# Altium PCB BSPD+SDC.PcbDoc (part 1 of 2) (continued)
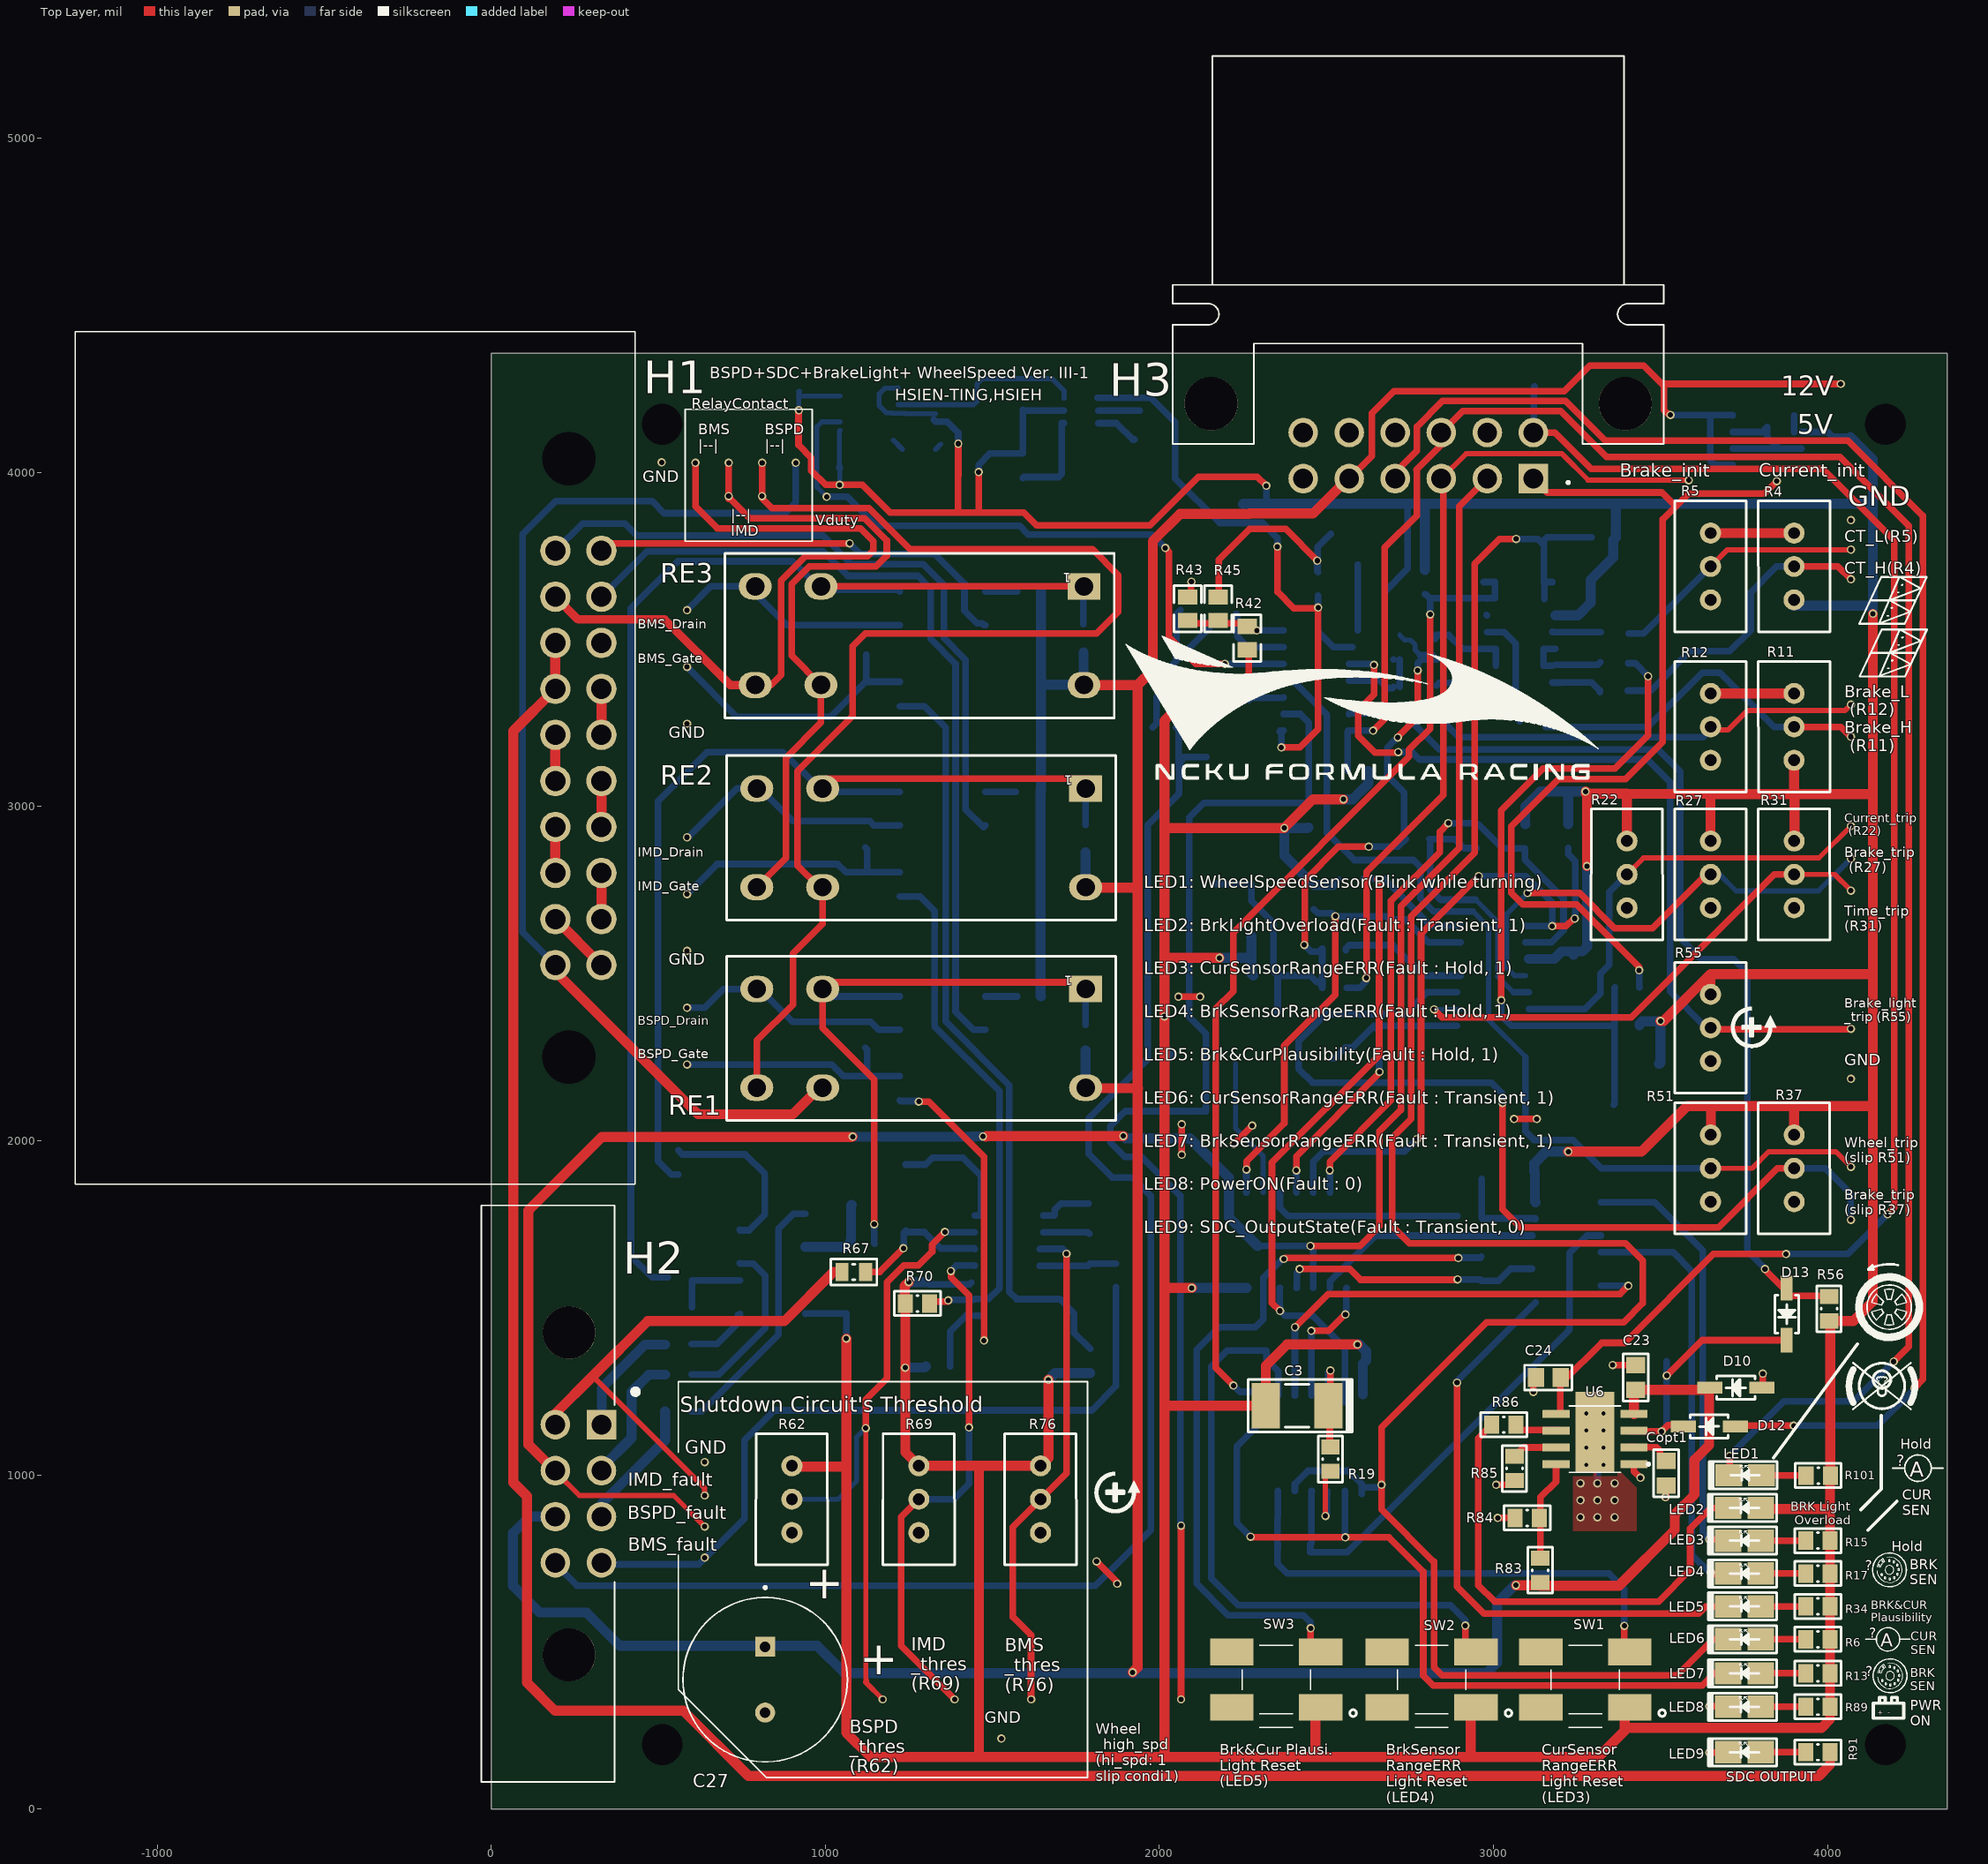
[diagram p0: Top Layer view]
## Part data (continued)
O1 O2 O3: "VOM618AT DC Input Phototransistor Output Optocoupler, Surface Mount, 4-Pin SOP", Case/Package=SOP, Collector Emitter Breakdown Voltage=80V, Collector Emitter Saturation Voltage=400mV, Current Transfer Ratio=600%, Forward Current=60mA, Forward Voltage=1.6V, Isolation Voltage=3.75kV, Manufacturer=Vishay, Max Collector Current=100mA, Max Operating Temperature=110°C, Max Power Dissipation=170mW, Min Operating Temperature=-55°C, Package Quantity=3000, Reverse Breakdown Voltage=6V, Supplier Part Number 1=78-VOM618AT, catagory=optotransister, Collector Emitter Voltage (VCEO)=80V, ComponentLink1Description=https://datasheet.ciiva.com/14809/vom618a-14809332.pdf?src-supplier=Arrow, ComponentLink1URL=https://datasheet.ciiva.com/14809/vom618a-14809332.pdf?src-supplier=Arrow, ComponentLink2Description=https://datasheet.ciiva.com/26941/getdatasheetpartid-641279-26941966.pdf?src-supplier=Verical, ComponentLink2URL=https://datasheet.ciiva.com/26941/getdatasheetpartid-641279-26941966.pdf?src-supplier=Verical, ComponentLink3Description=https://datasheet.ciiva.com/26121/vom618a-26121477.pdf?src-supplier=Avnet+Europe, ComponentLink3URL=https://datasheet.ciiva.com/26121/vom618a-26121477.pdf?src-supplier=Avnet+Europe, ComponentLink4Description=https://datasheet.ciiva.com/16388/vom618a-16388008.pdf?src-supplier=Future+Electronics, ComponentLink4URL=https://datasheet.ciiva.com/16388/vom618a-16388008.pdf?src-supplier=Future+Electronics, ComponentLink5Description=https://datasheet.ciiva.com/14079/vom618a-14079934.pdf?src-supplier=Digi-Key, ComponentLink5URL=https://datasheet.ciiva.com/14079/vom618a-14079934.pdf?src-supplier=Digi-Key, ComponentLink6Description=http://datasheet.octopart.com/VOM618AT-Vishay-datasheet-13041718.pdf?src-supplier=Future+Electronics, ComponentLink6URL=http://datasheet.octopart.com/VOM618AT-Vishay-datasheet-13041718.pdf?src-supplier=Future+Electronics, ComponentLink7Description=http://datasheet.octopart.com/VOM618AT-Vishay-datasheet-12559985.pdf?src-supplier=Future+Electronics, ComponentLink7URL=http://datasheet.octopart.com/VOM618AT-Vishay-datasheet-12559985.pdf?src-supplier=Future+Electronics, ComponentLink8Description=http://datasheet.octopart.com/VOM618AT-Vishay-Siliconix-datasheet-62309874.pdf?src-supplier=Allied+Electronics, ComponentLink8URL=http://datasheet.octopart.com/VOM618AT-Vishay-Siliconix-datasheet-62309874.pdf?src-supplier=Allied+Electronics, Fall Time=29us, Height=2mm, Input Current=60mA, Lead Free="Lead Free", Length=4.4mm, Manufacturer Part Number=VOM618AT, Max Input Current=60mA, Max Output Voltage=80V, Mount="Surface Mount", Number of Channels=1, Number of Elements=1, Number of Pins=4, Output Current per Channel=100mA, Output Voltage=80V, Packaging="Tape and Reel", Power Dissipation=170mW, Pricing 1="1 = 0.78000, 10 = 0.58000, 100 = 0.40100, 500 = 0.32500, 1000 = 0.26000, 3000 = 0.26000 (USD)", Radiation Hardening=No, Reverse Voltage (DC)=6V, Rise Time=6us, Stock 1=3046, Supplier 1=Mouser, Width=3.85mm
OP1 OP2 OP3 OP4: "Comparator Quad R-R I/P 5.5V 14-Pin TSSOP Tube", Case/Package=TSSOP, Input Bias Current=30nA, Input Offset Voltage (Vos)=500uV, Manufacturer="Analog Devices", Manufacturer Part Number=ADCMP393ARUZ, Max Operating Temperature=125°C, Max Supply Voltage=5.5V, Min Operating Temperature=-40°C, Min Supply Voltage=2.3V, Operating Supply Current=36.8uA, Power Supply Rejection Ratio (PSRR)=80dB, Supplier Part Number 1=584-ADCMP393ARZ, Voltage Gain=132dB, Common Mode Rejection Ratio=74dB, ComponentLink1Description=https://datasheet.ciiva.com/48678/adcmp393-48678181.pdf?src-supplier=Avnet, ComponentLink1URL=https://datasheet.ciiva.com/48678/adcmp393-48678181.pdf?src-supplier=Avnet, ComponentLink2Description=http://datasheet.octopart.com/ADCMP393ARUZ-Analog-Devices-datasheet-27207877.pdf?src-supplier=Analog+Devices, ComponentLink2URL=http://datasheet.octopart.com/ADCMP393ARUZ-Analog-Devices-datasheet-27207877.pdf?src-supplier=Analog+Devices, ComponentLink3Description=http://datasheet.octopart.com/ADCMP393ARUZ-Analog-Devices-datasheet-38899545.pdf?src-supplier=Analog+Devices, ComponentLink3URL=http://datasheet.octopart.com/ADCMP393ARUZ-Analog-Devices-datasheet-38899545.pdf?src-supplier=Analog+Devices, ComponentLink4Description=http://datasheet.octopart.com/ADCMP393ARUZ-Analog-Devices-datasheet-62311843.pdf?src-supplier=Farnell, ComponentLink4URL=http://datasheet.octopart.com/ADCMP393ARUZ-Analog-Devices-datasheet-62311843.pdf?src-supplier=Farnell, ComponentLink5Description=http://datasheet.octopart.com/ADCMP393ARUZ-Analog-Devices-datasheet-78864183.pdf?src-supplier=Farnell, ComponentLink5URL=http://datasheet.octopart.com/ADCMP393ARUZ-Analog-Devices-datasheet-78864183.pdf?src-supplier=Farnell, ComponentLink6Description=http://datasheet.octopart.com/ADCMP393ARUZ-Analog-Devices-datasheet-140566748.pdf?src-supplier=Arrow.cn, ComponentLink6URL=http://datasheet.octopart.com/ADCMP393ARUZ-Analog-Devices-datasheet-140566748.pdf?src-supplier=Arrow.cn, ComponentLink7Description=http://www.mouser.com/ds/2/609/ADCMP391_392_393-878291.pdf?src-supplier=Mouser, ComponentLink7URL=http://www.mouser.com/ds/2/609/ADCMP391_392_393-878291.pdf?src-supplier=Mouser, ComponentLink8Description=http://components.arrow.com/part/dataview/65920778S977637N9143?src-supplier=Arrow+Electronics, ComponentLink8URL=http://components.arrow.com/part/dataview/65920778S977637N9143?src-supplier=Arrow+Electronics, ComponentLink9Description=http://www.analog.com/media/en/technical-documentation/data-sheets/ADCMP393.pdf?src-supplier=Digi-Key, ComponentLink9URL=http://www.analog.com/media/en/technical-documentation/data-sheets/ADCMP393.pdf?src-supplier=Digi-Key, ComponentLink10Description=http://www.farnell.com/datasheets/2042324.pdf?src-supplier=Element14, ComponentLink10URL=http://www.farnell.com/datasheets/2042324.pdf?src-supplier=Element14, ComponentLink11Description=http://www.analog.com/static/imported-files/data_sheets/ADCMP393.pdf?src-supplier=Avnet, ComponentLink11URL=http://www.analog.com/static/imported-files/data_sheets/ADCMP393.pdf?src-supplier=Avnet, ComponentLink12Description=http://datasheet.octopart.com/ADCMP393ARZ-Analog-Devices-datasheet-38899545.pdf?src-supplier=Newark, ComponentLink12URL=http://datasheet.octopart.com/ADCMP393ARZ-Analog-Devices-datasheet-38899545.pdf?src-supplier=Newark, ComponentLink13Description=http://datasheet.octopart.com/ADCMP393ARZ-Analog-Devices-datasheet-27207877.pdf?src-supplier=Farnell, ComponentLink13URL=http://datasheet.octopart.com/ADCMP393ARZ-Analog-Devices-datasheet-27207877.pdf?src-supplier=Farnell, ComponentLink14Description=http://datasheet.octopart.com/ADCMP393ARZ-Analog-Devices-datasheet-32045033.pdf?src-supplier=Newark, ComponentLink14URL=http://datasheet.octopart.com/ADCMP393ARZ-Analog-Devices-datasheet-32045033.pdf?src-supplier=Newark, ComponentLink15Description=http://datasheet.octopart.com/ADCMP393ARZ-Analog-Devices-datasheet-62311843.pdf?src-supplier=Element14, ComponentLink15URL=http://datasheet.octopart.com/ADCMP393ARZ-Analog-Devices-datasheet-62311843.pdf?src-supplier=Element14, ComponentLink16Description=http://datasheet.octopart.com/ADCMP393ARZ-Analog-Devices-datasheet-140566748.pdf?src-supplier=Arrow.cn, ComponentLink16URL=http://datasheet.octopart.com/ADCMP393ARZ-Analog-Devices-datasheet-140566748.pdf?src-supplier=Arrow.cn, Contact Plating=Tin, Height=1.5mm, Hysteresis=4mV, Lead Free="Contains Lead", Length=8.75mm, Mount="Surface Mount", Number of Elements=4, Number of Pins=14, Packaging=Rail/Tube, Propagation Delay=4.2us, Quiescent Current=36.8uA, REACH SVHC="No SVHC", RoHS Compliant=Yes, Supplier 1=Mouser, Type="General Purpose", Width=4mm
R1 R2 R3 R8 R9 R10: library part 10k-CRCW080510K0FKEAC, "Res Thick Film 0805 10K Ohm 1% 1/8W ±100ppm/°C Molded SMD Paper T/R", Case/Package=0805, Manufacturer=Vishay, Manufacturer Part Number=CRCW080510K0FKEAC, Power Rating=125mW, Resistance=10000R, Supplier Part Number 1=71-CRCW080510K0FKEAC, Tolerance=1%, ComponentLink1Description=http://www.vishay.com/docs/28773/crcwce3.pdf?src-supplier=Digi-Key, ComponentLink1URL=http://www.vishay.com/docs/28773/crcwce3.pdf?src-supplier=Digi-Key, ComponentLink2Description=http://datasheet.octopart.com/CRCW080510K0FKEAC-Vishay-datasheet-100063072.pdf?src-supplier=Future+Electronics, ComponentLink2URL=http://datasheet.octopart.com/CRCW080510K0FKEAC-Vishay-datasheet-100063072.pdf?src-supplier=Future+Electronics, Lead Free="Lead Free", Pricing 1="1 = 0.10000, 10 = 0.05900, 100 = 0.02400, 1000 = 0.01000, 5000 = 0.00700, 10000 = 0.00600, 25000 = 0.00500 (USD)", Stock 1=593292, Supplier 1=Mouser
R4 R5 R11 R12 R22 R27 R31 R37 R51 R55 R62 R69 R76: library part 50K可變垂直-3296W-1-503LF, "Trimmer; Cermet; Rest 50 Kilohms; PCB; Pwr-Rtg 0.5W; Dim 0.375InLx0.19InWx0.395InH", Color=Blue, Insulation Resistance=1GR, Manufacturer=Bourns, Manufacturer Part Number=3296W-1-503LF, Max Operating Temperature=125°C, Max Power Dissipation=500mW, Min Operating Temperature=-55°C, Package Quantity=50, Supplier Part Number 1=652-3296W-1-503LF, Temperature Coefficient=100ppm/°C, Tolerance=10%, ComponentLink1Description=https://datasheet.ciiva.com/6178/172577-6178371.pdf?src-supplier=Distrelec, ComponentLink1URL=https://datasheet.ciiva.com/6178/172577-6178371.pdf?src-supplier=Distrelec, ComponentLink2Description=https://datasheet.ciiva.com/27747/769485-27747554.pdf?src-supplier=Jameco, ComponentLink2URL=https://datasheet.ciiva.com/27747/769485-27747554.pdf?src-supplier=Jameco, ComponentLink3Description=https://datasheet.ciiva.com/11831/0900766b8069ccf4-11831072.pdf?src-supplier=RSComponents, ComponentLink3URL=https://datasheet.ciiva.com/11831/0900766b8069ccf4-11831072.pdf?src-supplier=RSComponents, ComponentLink4Description=https://datasheet.ciiva.com/29122/447285-da-01-en-trimmer-tht3296w-1-503lf-50k-0-5w-29122369.pdf?src-supplier=Conrad, ComponentLink4URL=https://datasheet.ciiva.com/29122/447285-da-01-en-trimmer-tht3296w-1-503lf-50k-0-5w-29122369.pdf?src-supplier=Conrad, ComponentLink5Description=https://datasheet.ciiva.com/3266/3296-3266197.pdf?src-supplier=Avnet, ComponentLink5URL=https://datasheet.ciiva.com/3266/3296-3266197.pdf?src-supplier=Avnet, ComponentLink6Description=https://datasheet.ciiva.com/2156/3296-2156902.pdf?src-supplier=Digi-Key, ComponentLink6URL=https://datasheet.ciiva.com/2156/3296-2156902.pdf?src-supplier=Digi-Key, ComponentLink7Description=https://datasheet.ciiva.com/25907/3296-25907261.pdf?src-supplier=Avnet+Europe, ComponentLink7URL=https://datasheet.ciiva.com/25907/3296-25907261.pdf?src-supplier=Avnet+Europe, ComponentLink8Description=https://datasheet.ciiva.com/1131/1815117-1131346.pdf?src-supplier=Element14, ComponentLink8URL=https://datasheet.ciiva.com/1131/1815117-1131346.pdf?src-supplier=Element14, ComponentLink9Description=https://datasheet.ciiva.com/20164/68-0300e-20164056.pdf?src-supplier=Rapid+Electronics, ComponentLink9URL=https://datasheet.ciiva.com/20164/68-0300e-20164056.pdf?src-supplier=Rapid+Electronics, ComponentLink10Description=https://datasheet.ciiva.com/30233/3296-30233887.pdf?src-supplier=Onlinecomponents.com, ComponentLink10URL=https://datasheet.ciiva.com/30233/3296-30233887.pdf?src-supplier=Onlinecomponents.com, ComponentLink11Description=http://datasheet.octopart.com/3296W-1-503LF-Bourns-datasheet-9257.pdf?src-supplier=Factory+Futures, ComponentLink11URL=http://datasheet.octopart.com/3296W-1-503LF-Bourns-datasheet-9257.pdf?src-supplier=Factory+Futures, ComponentLink12Description=http://datasheet.octopart.com/3296W-1-503LF-Bourns-datasheet-8754025.pdf?src-supplier=Electro+Sonic, ComponentLink12URL=http://datasheet.octopart.com/3296W-1-503LF-Bourns-datasheet-8754025.pdf?src-supplier=Electro+Sonic, ComponentLink13Description=http://datasheet.octopart.com/3296W-1-503LF-Bourns-datasheet-62345832.pdf?src-supplier=Element14, ComponentLink13URL=http://datasheet.octopart.com/3296W-1-503LF-Bourns-datasheet-62345832.pdf?src-supplier=Element14, ComponentLink14Description=http://datasheet.octopart.com/3296W-1-503LF-Bourns-datasheet-8458046.pdf?src-supplier=Factory+Futures, ComponentLink14URL=http://datasheet.octopart.com/3296W-1-503LF-Bourns-datasheet-8458046.pdf?src-supplier=Factory+Futures, ComponentLink15Description=http://datasheet.octopart.com/3296W-1-503LF-Bourns-datasheet-8359740.pdf?src-supplier=_legacy+Avnet, ComponentLink15URL=http://datasheet.octopart.com/3296W-1-503LF-Bourns-datasheet-8359740.pdf?src-supplier=_legacy+Avnet, ComponentLink16Description=http://datasheet.octopart.com/3296W-1-503LF-Bourns-datasheet-25360155.pdf?src-supplier=Allied+Electronics, ComponentLink16URL=http://datasheet.octopart.com/3296W-1-503LF-Bourns-datasheet-25360155.pdf?src-supplier=Allied+Electronics, ComponentLink17Description=http://datasheet.octopart.com/3296W-1-503LF-Bourns-datasheet-47378.pdf?src-supplier=Allied+Electronics, ComponentLink17URL=http://datasheet.octopart.com/3296W-1-503LF-Bourns-datasheet-47378.pdf?src-supplier=Allied+Electronics, ComponentLink18Description=http://datasheet.octopart.com/3296W-1-503LF-Bourns-datasheet-528316.pdf?src-supplier=Farnell, ComponentLink18URL=http://datasheet.octopart.com/3296W-1-503LF-Bourns-datasheet-528316.pdf?src-supplier=Farnell, ComponentLink19Description=http://datasheet.octopart.com/3296W-1-503LF-Bourns-datasheet-6152.pdf?src-supplier=Farnell, ComponentLink19URL=http://datasheet.octopart.com/3296W-1-503LF-Bourns-datasheet-6152.pdf?src-supplier=Farnell, ComponentLink20Description=http://datasheet.octopart.com/3296W-1-503LF.-Bourns-datasheet-7284159.pdf?src-supplier=Jameco, ComponentLink20URL=http://datasheet.octopart.com/3296W-1-503LF.-Bourns-datasheet-7284159.pdf?src-supplier=Jameco, ComponentLink21Description=http://datasheet.octopart.com/3296W-1-503LF-Bourns-datasheet-14175298.pdf?src-supplier=IIIC, ComponentLink21URL=http://datasheet.octopart.com/3296W-1-503LF-Bourns-datasheet-14175298.pdf?src-supplier=IIIC, ComponentLink22Description=http://datasheet.octopart.com/3296W-1-503LF-Bourns-datasheet-17840116.pdf?src-supplier=Jameco, ComponentLink22URL=http://datasheet.octopart.com/3296W-1-503LF-Bourns-datasheet-17840116.pdf?src-supplier=Jameco, Composition=Cermet, Contact Plating=Tin, Depth=4.83mm, Height=0.395inch, Lead Free="Lead Free", Length=9.53mm, Military Standard=Not, Mount=Panel, Number of Terminals=3, Number of Turns=25, Packaging=Rail/Tube, Power Rating=500mW, Pricing 1="1 = 2.31000, 10 = 1.83000, 50 = 1.76000, 100 = 1.62000, 500 = 1.34000, 1000 = 1.27000, 2000 = 1.09000, 5000 = 1.06000, 10000 = 0.94700 (USD)", Radiation Hardening=No, REACH SVHC="No SVHC", Resistance=50kR, Stock 1=3535, Supplier 1=Mouser, Taper=Linear, Termination=Pin, Type=Potentiometer, Weight=0.03oz, Width=9.53mm
R6 R13 R15 R17 R34 R89 R101: library part 470-CRCW0805470RFKEAC, "Res Thick Film 0805 470 Ohm 1% 1/8W ±100ppm/°C Molded SMD Paper T/R", Case/Package=0805, Manufacturer=Vishay, Manufacturer Part Number=CRCW0805470RFKEAC, Power Rating=125mW, Supplier Part Number 1=71-CRCW0805470RFKEAC, Tolerance=1%, ComponentLink1Description=http://www.vishay.com/docs/28773/crcwce3.pdf?src-supplier=Digi-Key, ComponentLink1URL=http://www.vishay.com/docs/28773/crcwce3.pdf?src-supplier=Digi-Key, Lead Free="Lead Free", Pricing 1="1 = 0.10000, 10 = 0.05900, 100 = 0.02400, 1000 = 0.01000, 5000 = 0.00700, 10000 = 0.00600 (USD)", Resistance=470R, Stock 1=31729, Supplier 1=Mouser
R7 R14 R21 R23 R25 R29 R32 R38 R48 R49 R50 R92 R93 R94: library part 39k-CRCW080539K0FKEAC, "CRCW Thick Film Commodity Chip Resistor 0805 Size 39K Ohm 1% 0.125 W 100 ppm/K 2-Pin SMD Paper T/R", Manufacturer=Vishay, Manufacturer Part Number=CRCW080539K0FKEAC, Supplier Part Number 1=71-CRCW080539K0FKEAC, Pricing 1="1 = 0.16000, 10 = 0.05900, 100 = 0.02400, 1000 = 0.01000, 5000 = 0.00700, 10000 = 0.00600, 25000 = 0.00500 (USD)", Stock 1=13079, Supplier 1=Mouser
R16 R18: library part 100-CRCW0805100RFKEAC, "Res Thick Film 0805 100 Ohm 1% 1/8W ±100ppm/°C Molded SMD Paper T/R", Case/Package=0805, Manufacturer=Vishay, Manufacturer Part Number=CRCW0805100RFKEAC, Power Rating=125mW, Resistance=100R, Supplier Part Number 1=71-CRCW0805100RFKEAC, Tolerance=1%, ComponentLink1Description=http://www.vishay.com/docs/28773/crcwce3.pdf?src-supplier=Digi-Key, ComponentLink1URL=http://www.vishay.com/docs/28773/crcwce3.pdf?src-supplier=Digi-Key, ComponentLink2Description=http://datasheet.octopart.com/CRCW0805100RFKEAC-Vishay-datasheet-100063072.pdf?src-supplier=Future+Electronics, ComponentLink2URL=http://datasheet.octopart.com/CRCW0805100RFKEAC-Vishay-datasheet-100063072.pdf?src-supplier=Future+Electronics, Lead Free="Lead Free", Pricing 1="1 = 0.10000, 10 = 0.05900, 100 = 0.02400, 1000 = 0.01000, 5000 = 0.00700, 10000 = 0.00600, 25000 = 0.00500 (USD)", Stock 1=249348, Supplier 1=Mouser
R19 R30 R52 R65 R72 R79 R102: library part 100k-CRCW0805100KFKEAC, "Res Thick Film 0805 100K Ohm 1% 1/8W ±100ppm/°C Molded SMD Paper T/R", Case/Package=Molded, Manufacturer=Vishay, Manufacturer Part Number=CRCW0805100KFKEAC, Max Operating Temperature=155°C, Min Operating Temperature=-55°C, Power Rating=125mW, Supplier Part Number 1=71-CRCW0805100KFKEAC, Temperature Coefficient=100ppm/°C, Tolerance=1%, ComponentLink1Description=http://www.vishay.com/docs/20035/dcrcwe3.pdf?src-supplier=Avnet+Asia, ComponentLink1URL=http://www.vishay.com/docs/20035/dcrcwe3.pdf?src-supplier=Avnet+Asia, ComponentLink2Description=http://www.vishay.com/docs/28773/crcwce3.pdf?src-supplier=Digi-Key, ComponentLink2URL=http://www.vishay.com/docs/28773/crcwce3.pdf?src-supplier=Digi-Key, ComponentLink3Description=http://datasheet.octopart.com/CRCW0805100KFKEAC-Vishay-datasheet-100063072.pdf?src-supplier=Future+Electronics, ComponentLink3URL=http://datasheet.octopart.com/CRCW0805100KFKEAC-Vishay-datasheet-100063072.pdf?src-supplier=Future+Electronics, Composition="Thick Film", Contact Plating=Tin, Lead Free="Lead Free", Length=2mm, Mount="Surface Mount", Pricing 1="1 = 0.10000, 10 = 0.05900, 100 = 0.02400, 1000 = 0.01000, 5000 = 0.00700, 10000 = 0.00600, 25000 = 0.00500 (USD)", Resistance=100kR, Stock 1=206602, Supplier 1=Mouser, Termination=Wraparound
R20 R24 R33: library part 100-CRCW0805100RFKEAC, "Res Thick Film 0805 100 Ohm 1% 1/8W ±100ppm/°C Molded SMD Paper T/R", Case/Package=0805, Manufacturer=Vishay, Manufacturer Part Number=CRCW0805100RFKEAC, Power Rating=125mW, Supplier Part Number 1=71-CRCW0805100RFKEAC, Tolerance=1%, ComponentLink1Description=http://www.vishay.com/docs/28773/crcwce3.pdf?src-supplier=Digi-Key, ComponentLink1URL=http://www.vishay.com/docs/28773/crcwce3.pdf?src-supplier=Digi-Key, ComponentLink2Description=http://datasheet.octopart.com/CRCW0805100RFKEAC-Vishay-datasheet-100063072.pdf?src-supplier=Future+Electronics, ComponentLink2URL=http://datasheet.octopart.com/CRCW0805100RFKEAC-Vishay-datasheet-100063072.pdf?src-supplier=Future+Electronics, Lead Free="Lead Free", Pricing 1="1 = 0.10000, 10 = 0.05900, 100 = 0.02400, 1000 = 0.01000, 5000 = 0.00700, 10000 = 0.00600, 25000 = 0.00500 (USD)", Resistance=100R, Stock 1=249348, Supplier 1=Mouser
R26 R35: library part RT0805FRE102KL, "High Precision-High Stability Chip Resistor Thin Film 0805 2kOhm 1% Paper T/R", Case/Package=0805, Manufacturer=Yageo, Supplier Part Number 1=603-RT0805FRE102KL, Tolerance=1%, catagory=resister, ComponentLink1Description=http://datasheet.octopart.com/RT0805FRE102KL-Yageo-datasheet-86813807.pdf, ComponentLink1URL=http://datasheet.octopart.com/RT0805FRE102KL-Yageo-datasheet-86813807.pdf, Manufacturer Part Number=RT0805FRE102KL, Pricing 1="1 = 0.12000, 10 = 0.06400, 100 = 0.02300, 1000 = 0.01600, 2500 = 0.01100, 10000 = 0.01000 (USD)", Resistance=2kR, Stock 1=14347, Supplier 1=Mouser
R28 R36: library part RT0805FRE1310KL, "Res Thin Film 0805 10K Ohm 1% 0.125W(1/8W) ±50ppm/C Molded SMD Paper T/R", Case/Package=0805, Manufacturer=Yageo, Max Operating Temperature=125°C, Min Operating Temperature=-55°C, Resistance=10kR, Supplier Part Number 1=603-RT0805FRE1310KL, Tolerance=1%, catagory=resister, ComponentLink1Description=http://components.arrow.com/part/dataview/0323_03828670?src-supplier=Arrow+Europe, ComponentLink1URL=http://components.arrow.com/part/dataview/0323_03828670?src-supplier=Arrow+Europe, Composition="Thin Film", Depth=1.25mm, Length=2mm, Manufacturer Part Number=RT0805FRE1310KL, Military Standard=Not, Packaging="Tape and Reel", Pricing 1="1 = 0.12000, 10 = 0.06400, 100 = 0.02300, 1000 = 0.01600, 2500 = 0.01100, 10000 = 0.01000 (USD)", RoHS=No, Stock 1=7132, Supplier 1=Mouser
R39: library part RT0805DRE07115RL, "High Precision-High Stability Chip Resistor Thin Film 0805 115Ohm 0.5% Paper T/R", Case/Package=0805, Case Code (Metric)=2012, Manufacturer=Yageo, Max Operating Temperature=155°C, Max Power Dissipation=125mW, Min Operating Temperature=-55°C, Package Quantity=5000, Supplier Part Number 1=603-RT0805DRE07115RL, Temperature Coefficient=50ppm/°C, Tolerance=0.5%, Voltage Rating (DC)=150V, Case Code (Imperial)=0805, catagory=resister, ComponentLink1Description=https://datasheet.ciiva.com/2569/pyu-rt-1-to-0-05-rohs-l-5-2569178.pdf?src-supplier=Digi-Key, ComponentLink1URL=https://datasheet.ciiva.com/2569/pyu-rt-1-to-0-05-rohs-l-5-2569178.pdf?src-supplier=Digi-Key, ComponentLink2Description=http://datasheet.octopart.com/RT0805DRE07115RL-Yageo-datasheet-86813807.pdf, ComponentLink2URL=http://datasheet.octopart.com/RT0805DRE07115RL-Yageo-datasheet-86813807.pdf, Composition="Thin Film", Features="Moisture Resistant", Height=0.024inch, Lead Free="Lead Free", Length=0.079inch, Manufacturer Part Number=RT0805DRE07115RL, Number of Terminations=2, Packaging="Tape and Reel", Pricing 1="1 = 0.17000, 10 = 0.08800, 100 = 0.03100, 1000 = 0.02200, 5000 = 0.01500, 10000 = 0.01400 (USD)", Resistance=115R, Stock 1=9900, Supplier 1=Mouser, Width=0.049inch
R40: library part "0805 4.7KΩ (4701) 1%", "?片?阻", Package=0805, SuppliersPartNumber=C17673, ComponentLink1Description=¨Ñ?°, ComponentLink1URL=http://www.szlcsc.com/product/details_18361.html, Supplier=LC
R41 R43: library part "0805 10KΩ (1002) 1%", "?片?阻", Package=0805, SuppliersPartNumber=C17414, ComponentLink1Description=¨Ñ?°, ComponentLink1URL=http://www.szlcsc.com/product/details_18102.html, Supplier=LC
R42: library part "0805 39KΩ (3902) 1%", "?片?阻", Package=0805, SuppliersPartNumber=C25826, ComponentLink1Description=¨Ñ?°, ComponentLink1URL=http://www.szlcsc.com/product/details_26569.html, Supplier=LC
R44: library part "0805 2.2KΩ (2201) 1%", "?片?阻", Package=0805, SuppliersPartNumber=C17520, ComponentLink1Description=¨Ñ?°, ComponentLink1URL=http://www.szlcsc.com/product/details_18208.html, Supplier=LC
R45: library part "0805 470KΩ (4703) 1%", "?片?阻", Package=0805, SuppliersPartNumber=C17709, ComponentLink1Description=¨Ñ?°, ComponentLink1URL=http://www.szlcsc.com/product/details_18397.html, Supplier=LC
R46 R47: library part "0805 47KΩ (4702) 1%", "?片?阻", Package=0805, SuppliersPartNumber=C17713, ComponentLink1Description=¨Ñ?°, ComponentLink1URL=http://www.szlcsc.com/product/details_18401.html, Supplier=LC
R53 R54 R56 R57 R58 R83 R84 R85 R86 R87 R88 R90 R91: library part 470-CRCW0805470RFKEAC, "Res Thick Film 0805 470 Ohm 1% 1/8W ±100ppm/°C Molded SMD Paper T/R", Case/Package=0805, Manufacturer=Vishay, Manufacturer Part Number=CRCW0805470RFKEAC, Power Rating=125mW, Resistance=470R, Supplier Part Number 1=71-CRCW0805470RFKEAC, Tolerance=1%, ComponentLink1Description=http://www.vishay.com/docs/28773/crcwce3.pdf?src-supplier=Digi-Key, ComponentLink1URL=http://www.vishay.com/docs/28773/crcwce3.pdf?src-supplier=Digi-Key, Lead Free="Lead Free", Pricing 1="1 = 0.10000, 10 = 0.05900, 100 = 0.02400, 1000 = 0.01000, 5000 = 0.00700, 10000 = 0.00600 (USD)", Stock 1=31729, Supplier 1=Mouser
R59 R66 R73: library part RT0805FRE07432RL, "Res Thin Film 0805 432 Ohm 1% 1/8W ±50ppm/°C Molded SMD SMD Paper T/R", Case/Package=0805, Case Code (Metric)=2012, Manufacturer=Yageo, Max Operating Temperature=125°C, Min Operating Temperature=-55°C, Power Rating=125mW, Supplier Part Number 1=603-RT0805FRE07432RL, Temperature Coefficient=50ppm/°C, Tolerance=1%, Voltage Rating=150V, Case Code (Imperial)=0805, catagory=resister, ComponentLink1Description=https://datasheet.ciiva.com/12703/pyu-rt-1-to-0-05-rohs-l-4-12703656.pdf?src-supplier=Mouser, ComponentLink1URL=https://datasheet.ciiva.com/12703/pyu-rt-1-to-0-05-rohs-l-4-12703656.pdf?src-supplier=Mouser, ComponentLink2Description=http://datasheet.octopart.com/RT0805FRE07432RL-Yageo-datasheet-86813807.pdf, ComponentLink2URL=http://datasheet.octopart.com/RT0805FRE07432RL-Yageo-datasheet-86813807.pdf, Composition="Thin Film", Contact Plating=Tin, Height=500um, Lead Free="Lead Free", Length=2mm, Manufacturer Part Number=RT0805FRE07432RL, Packaging="Tape and Reel", Pricing 1="1 = 0.12000, 10 = 0.06400, 100 = 0.02300, 1000 = 0.01600, 5000 = 0.01100, 10000 = 0.01000 (USD)", Radiation Hardening=No, Resistance=432R, Stock 1=2636, Supplier 1=Mouser, Termination=SMD/SMT, Voltage Rating (DC)=150V, Width=1.25mm
R60 R67 R74: library part RT0805DRE074K99L, "Res Thin Film 0805 4.99K Ohm 0.5% 1/8W ±50ppm/°C Molded SMD Paper T/R", Case/Package=0805, Case Code (Metric)=2012, Manufacturer=Yageo, Max Operating Temperature=155°C, Max Power Dissipation=125mW, Min Operating Temperature=-55°C, Package Quantity=5000, Resistance=4.99kR, Supplier Part Number 1=603-RT0805DRE074K99L, Temperature Coefficient=50ppm/°C, Tolerance=0.5%, Voltage Rating (DC)=150V, Case Code (Imperial)=0805, catagory=resister, ComponentLink1Description=https://datasheet.ciiva.com/2569/pyu-rt-1-to-0-05-rohs-l-5-2569530.pdf?src-supplier=Digi-Key, ComponentLink1URL=https://datasheet.ciiva.com/2569/pyu-rt-1-to-0-05-rohs-l-5-2569530.pdf?src-supplier=Digi-Key, ComponentLink2Description=http://datasheet.octopart.com/RT0805DRE074K99L-Yageo-datasheet-86813807.pdf, ComponentLink2URL=http://datasheet.octopart.com/RT0805DRE074K99L-Yageo-datasheet-86813807.pdf, Composition="Thin Film", Depth=1.25mm, Features="Moisture Resistant", Height=0.024inch, Lead Free="Lead Free", Length=0.079inch, Manufacturer Part Number=RT0805DRE074K99L, Military Standard=Not, Number of Terminations=2, Packaging="Tape and Reel", Pricing 1="1 = 0.17000, 10 = 0.08800, 100 = 0.03100, 1000 = 0.02200, 5000 = 0.01500, 10000 = 0.01400 (USD)", Stock 1=12154, Supplier 1=Mouser, Width=0.049inch
R61 R68 R75: library part RT0805DRE0711KL, "Res High Precision Thin Film 0805 11k Ohm 0.5% 1/8W ±50ppm/°C Molded Paper T/R", Case/Package=0805, Case Code (Metric)=2012, Manufacturer=Yageo, Max Operating Temperature=155°C, Max Power Dissipation=125mW, Min Operating Temperature=-55°C, Package Quantity=5000, Resistance=11kR, Supplier Part Number 1=603-RT0805DRE0711KL, Temperature Coefficient=50ppm/°C, Tolerance=0.5%, Voltage Rating (DC)=150V, Case Code (Imperial)=0805, catagory=resister, ComponentLink1Description=https://datasheet.ciiva.com/2569/pyu-rt-1-to-0-05-rohs-l-5-2569184.pdf?src-supplier=Digi-Key, ComponentLink1URL=https://datasheet.ciiva.com/2569/pyu-rt-1-to-0-05-rohs-l-5-2569184.pdf?src-supplier=Digi-Key, ComponentLink2Description=http://datasheet.octopart.com/RT0805DRE0711KL-Yageo-datasheet-86813807.pdf, ComponentLink2URL=http://datasheet.octopart.com/RT0805DRE0711KL-Yageo-datasheet-86813807.pdf, Composition="Thin Film", Features="Moisture Resistant", Height=0.024inch, Lead Free="Lead Free", Length=0.079inch, Manufacturer Part Number=RT0805DRE0711KL, Number of Terminations=2, Packaging="Tape and Reel", Pricing 1="1 = 0.17000, 10 = 0.08800, 100 = 0.03100, 1000 = 0.02200, 5000 = 0.01500, 10000 = 0.01400 (USD)", Stock 1=6290, Supplier 1=Mouser, Width=0.049inch
R63 R64 R70 R71 R77 R78 R95 R96 R97 R98 R99 R100: library part 100k-CRCW0805100KFKEAC, "Res Thick Film 0805 100K Ohm 1% 1/8W ±100ppm/°C Molded SMD Paper T/R", Case/Package=Molded, Manufacturer=Vishay, Manufacturer Part Number=CRCW0805100KFKEAC, Max Operating Temperature=155°C, Min Operating Temperature=-55°C, Power Rating=125mW, Resistance=100kR, Supplier Part Number 1=71-CRCW0805100KFKEAC, Temperature Coefficient=100ppm/°C, Tolerance=1%, ComponentLink1Description=http://www.vishay.com/docs/20035/dcrcwe3.pdf?src-supplier=Avnet+Asia, ComponentLink1URL=http://www.vishay.com/docs/20035/dcrcwe3.pdf?src-supplier=Avnet+Asia, ComponentLink2Description=http://www.vishay.com/docs/28773/crcwce3.pdf?src-supplier=Digi-Key, ComponentLink2URL=http://www.vishay.com/docs/28773/crcwce3.pdf?src-supplier=Digi-Key, ComponentLink3Description=http://datasheet.octopart.com/CRCW0805100KFKEAC-Vishay-datasheet-100063072.pdf?src-supplier=Future+Electronics, ComponentLink3URL=http://datasheet.octopart.com/CRCW0805100KFKEAC-Vishay-datasheet-100063072.pdf?src-supplier=Future+Electronics, Composition="Thick Film", Contact Plating=Tin, Lead Free="Lead Free", Length=2mm, Mount="Surface Mount", Pricing 1="1 = 0.10000, 10 = 0.05900, 100 = 0.02400, 1000 = 0.01000, 5000 = 0.00700, 10000 = 0.00600, 25000 = 0.00500 (USD)", Stock 1=206602, Supplier 1=Mouser, Termination=Wraparound